# KiCad board macro-keyboard.kicad_pcb
title: Macro Keyboard 2x4; date: 2025-01-22; rev: 0.1
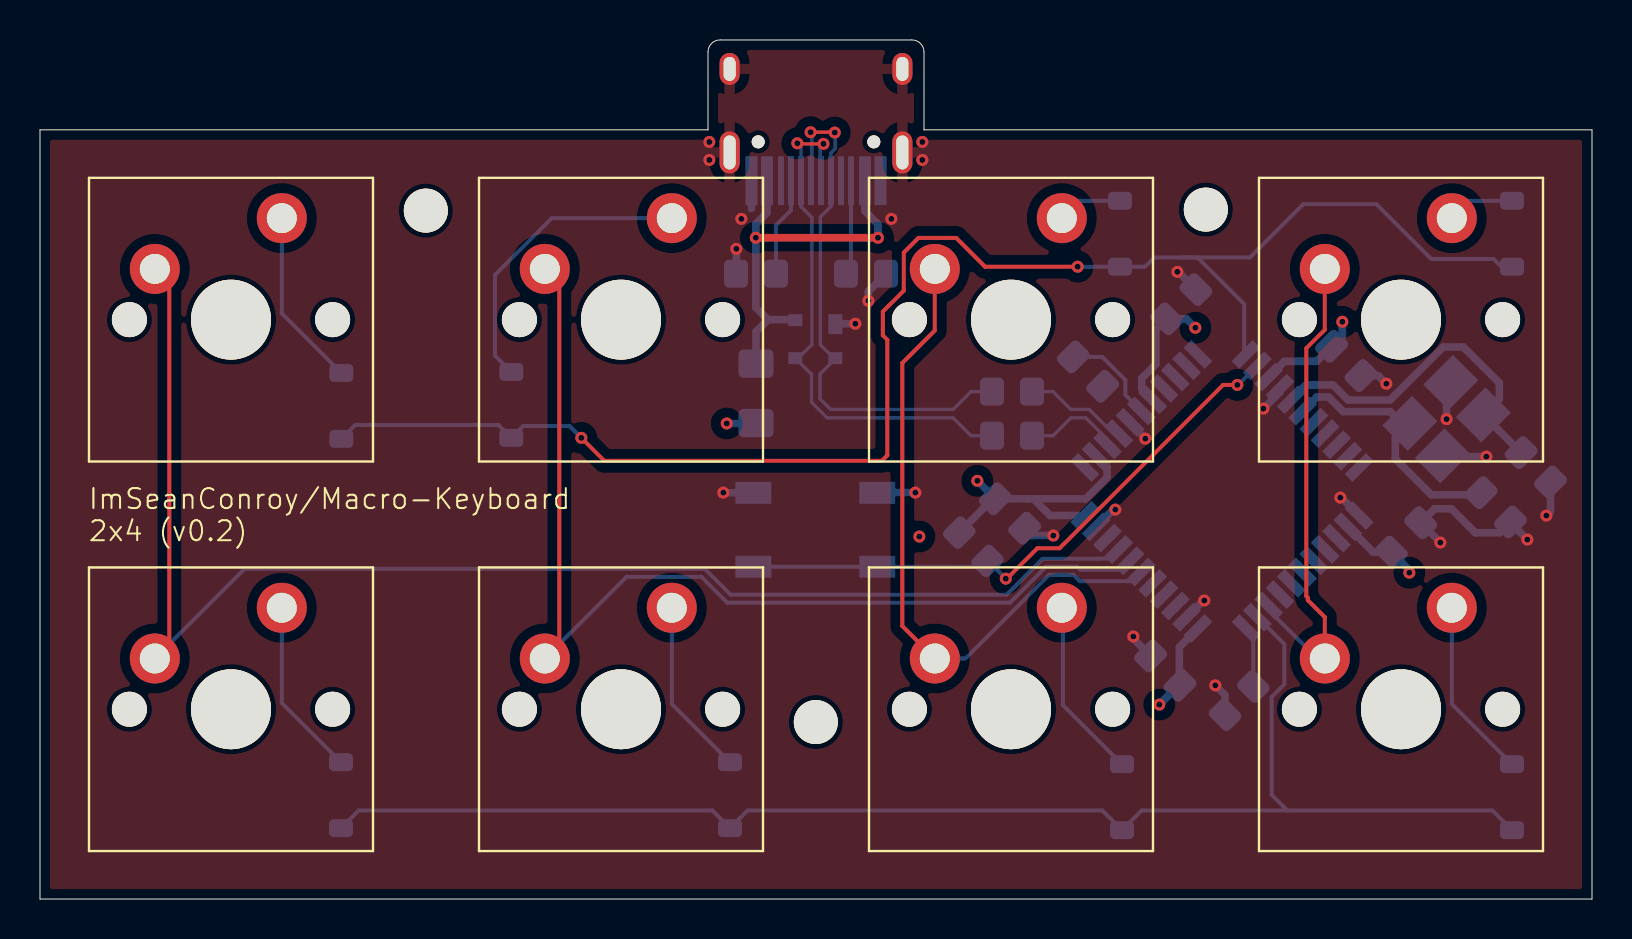
[diagram p0: board, top side]
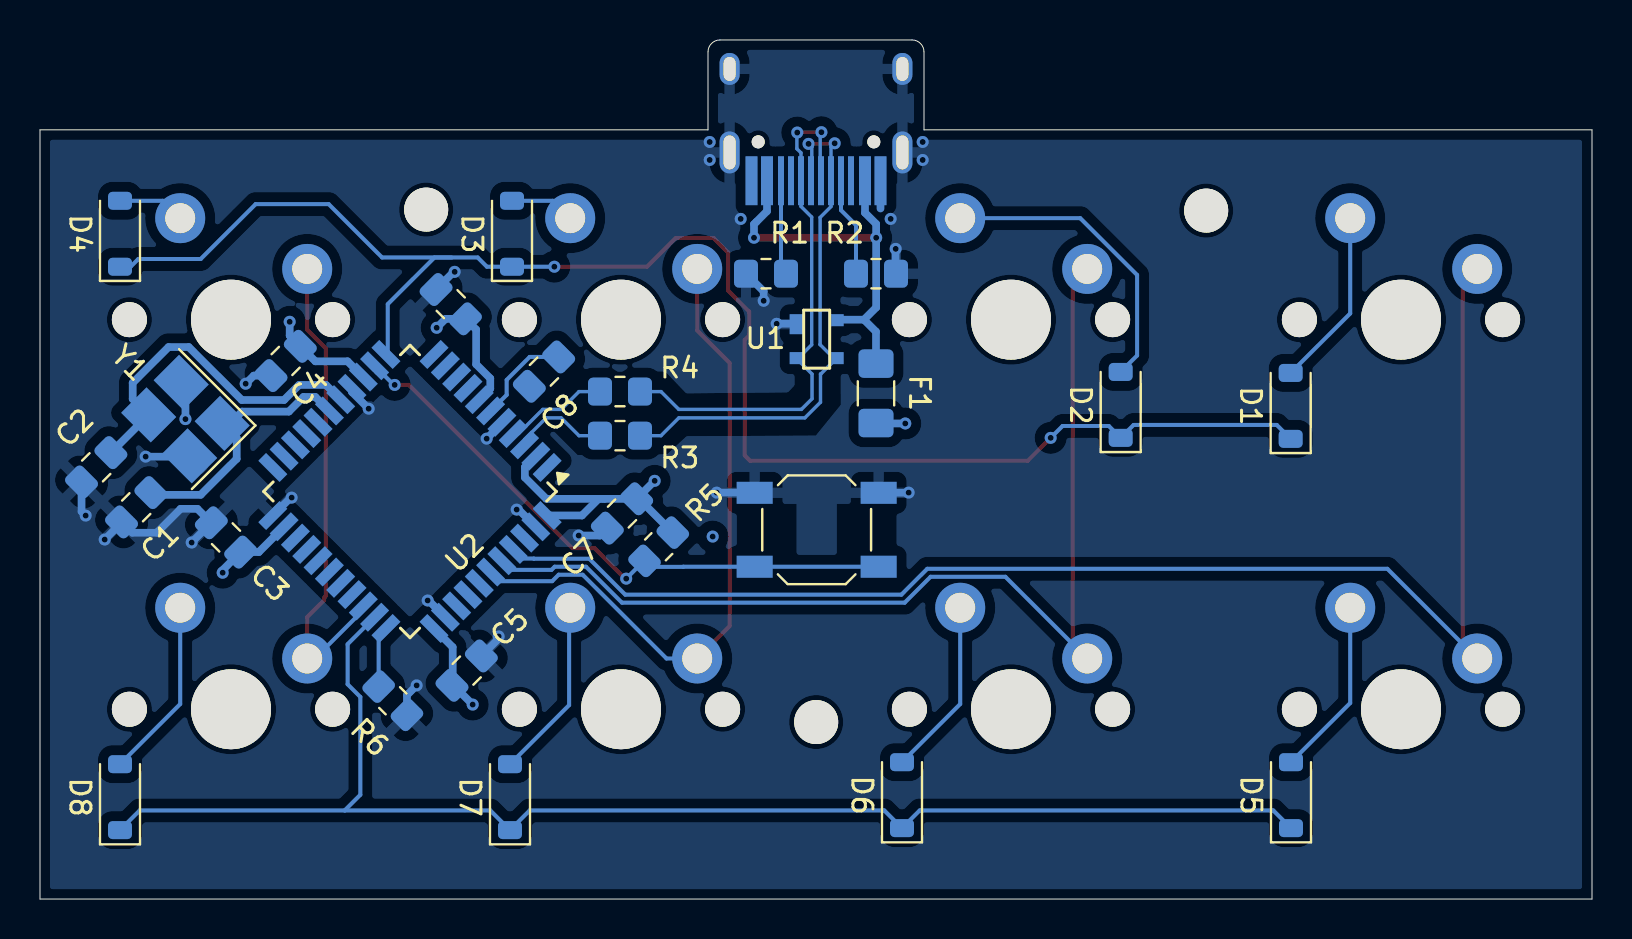
[diagram p1: board, bottom side, seen from below]

Outline 77.6 x 43 mm; copper layers: Top, In1.Cu, In2.Cu, Bottom. Coordinates in mm from the lower left corner of the outline.
Outline path: 0,0 0,38.5 33.4,38.5 33.4,42.4 arc(33.58,42.82) 34,43 43.6,43 arc(44.02,42.82) 44.2,42.4 44.2,38.5 77.6,38.5 77.6,0 0,0
Stack: Top 0.035mm / dielectric 0.1mm FR4 er 4.5 / In1.Cu 0.035mm / dielectric 1.24mm FR4 er 4.5 / In2.Cu 0.035mm / dielectric 0.1mm FR4 er 4.5 / Bottom 0.035mm

## Placement (name value [footprint] x y rotation side)
C1  22p  [C_0805_2012Metric_Pad1.18x1.45mm_HandSolder]  72.79 19.61 315 bottom
C2  22p  [C_0805_2012Metric_Pad1.18x1.45mm_HandSolder]  74.79 21.61 315 bottom
C3  0.1u  [C_0805_2012Metric_Pad1.18x1.45mm_HandSolder]  68.3 18.1 45 bottom
C4  0.1u  [C_0805_2012Metric_Pad1.18x1.45mm_HandSolder]  65.32 26.93 315 bottom
C5  0.1u  [C_0805_2012Metric_Pad1.18x1.45mm_HandSolder]  56.27 11.43 135 bottom
C6  0.1u  [C_0805_2012Metric_Pad1.18x1.45mm_HandSolder]  57.06 29.78 45 bottom
C7  10u  [C_0805_2012Metric_Pad1.18x1.45mm_HandSolder]  48.5 19.3 315 bottom
C8  1u  [C_0805_2012Metric_Pad1.18x1.45mm_HandSolder]  52.4 26.4 315 bottom
D1  D  [D_SOD-123]  15.07 24.68 90 bottom
D2  D  [D_SOD-123]  23.57 24.73 90 bottom
D3  D  [D_SOD-123]  54 33.3 90 bottom
D4  D  [D_SOD-123]  73.6 33.3 90 bottom
D5  D  [D_SOD-123]  15.05 5.2 90 bottom
D6  D  [D_SOD-123]  34.5 5.2 90 bottom
D7  D  [D_SOD-123]  54.1 5.1 90 bottom
D8  D  [D_SOD-123]  73.6 5.1 90 bottom
F1  500m  [Fuse_1206_3216Metric_Pad1.42x1.75mm_HandSolder]  35.8 25.31 90 bottom
HOLE1  -  [MountingHole_2.2mm_M2_DIN965]  19.29 34.46 0 top
HOLE2  -  [MountingHole_2.2mm_M2_DIN965]  58.29 34.51 0 top
HOLE3  -  [MountingHole_2.2mm_M2_DIN965]  38.79 8.86 0 top
R1  5.1k  [R_0805_2012Metric_Pad1.20x1.40mm_HandSolder]  41.3 31.3 180 bottom
R2  5.1k  [R_0805_2012Metric_Pad1.20x1.40mm_HandSolder]  35.8 31.3 0 bottom
R3  22  [R_0805_2012Metric_Pad1.20x1.40mm_HandSolder]  48.6 23.19 180 bottom
R4  22  [R_0805_2012Metric_Pad1.20x1.40mm_HandSolder]  48.6 25.4 180 bottom
R5  10k  [R_0805_2012Metric_Pad1.20x1.40mm_HandSolder]  46.67 17.63 135 bottom
R6  10k  [R_0805_2012Metric_Pad1.20x1.40mm_HandSolder]  59.96 9.93 45 bottom
SW1  SW_Push  [MX_PCB_1.00u]  9.55 29 0 top  (not fitted)
SW2  SW_Push  [MX_PCB_1.00u]  29.05 29 0 top  (not fitted)
SW3  SW_Push  [MX_PCB_1.00u]  48.55 29 0 top  (not fitted)
SW4  SW_Push  [MX_PCB_1.00u]  68.05 29 0 top  (not fitted)
SW5  SW_Push  [MX_PCB_1.00u]  9.55 9.5 0 top  (not fitted)
SW6  SW_Push  [MX_PCB_1.00u]  29.05 9.5 0 top  (not fitted)
SW7  SW_Push  [MX_PCB_1.00u]  48.55 9.5 0 top  (not fitted)
SW8  SW_Push  [MX_PCB_1.00u]  68.05 9.5 0 top  (not fitted)
SW13  ~  [SW_SPST_SKQG_WithStem]  38.77 18.48 0 bottom
U1  PRTR5V0U2X  [SOT143B]  38.77 28.02 180 bottom
U2  ATmega32U4-A  [TQFP-44_10x10mm_P0.8mm]  59.1 20.4 315 bottom
USB1  HRO-TYPE-C-31-M-12  [HRO-TYPE-C-31-M-12-HandSoldering]  38.8 44.15 0 bottom
Y1  Crystal_GND24_Small  [Crystal_SMD_3225-4Pin_3.2x2.5mm_HandSoldering]  70.33 24.02 45 bottom

## Library data of the parts
C1 C2 = -: Description: Unpolarized capacitor, small symbol; Part: C1804; ki_fp_filters: C_*
C3-C6 = -: Description: Unpolarized capacitor, small symbol; Part: C62912; ki_fp_filters: C_*
C7 = -: Description: Unpolarized capacitor, small symbol; Part: C95841; ki_fp_filters: C_*
C8 = -: Description: Unpolarized capacitor, small symbol; Part: C116352; ki_fp_filters: C_*
D1-D8 = -: Description: Diode; Sim.Pins: 1=K 2=A; Part: C77978; ki_fp_filters: TO-???* *_Diode_* *SingleDiode* D_*
F1 = -: Description: Resettable fuse, polymeric positive temperature coefficient, small symbol; Part: C70069; ki_fp_filters: *polyfuse* *PTC*
R1 R2 = -: Description: Resistor, small symbol; Part: C84375; ki_fp_filters: R_*
R3 R4 = -: Description: Resistor, small symbol; Part: C150390; ki_fp_filters: R_*
R5 R6 = -: Description: Resistor, small symbol; Part: C84376; ki_fp_filters: R_*
SW1-SW8 = -: Description: Push button switch, generic, two pins
SW13 = -: Part: C221929
U1 = -: Part: C12333
U2 = -: Datasheet: http://ww1.microchip.com/downloads/en/DeviceDoc/Atmel-7766-8-bit-AVR-ATmega16U4-32U4_Datasheet.pdf; Description: 16MHz, 32kB Flash, 2.5kB SRAM, 1kB EEPROM, USB 2.0, TQFP-44; Part: C44854; ki_fp_filters: TQFP*10x10mm*P0.8mm*
USB1 = -: Part: C165948
Y1 = -: Description: Four pin crystal, GND on pins 2 and 4, small symbol; Part: C255909; ki_fp_filters: Crystal*

## Footprints (pads in the part's own frame, mm; a bottom-side part is the same pattern mirrored in y, then rotated)
C_0805_2012Metric_Pad1.18x1.45mm_HandSolder
  rrect 1.175x1.45 smd: 1(-1.038,0) 2(1.038,0)
Crystal_SMD_3225-4Pin_3.2x2.5mm_HandSoldering
  rect 2.1x1.8 smd: 1(-1.45,-1.15) 2(1.45,-1.15) 3(1.45,1.15) 4(-1.45,1.15)
D_SOD-123
  rrect 0.9x1.2 smd: 1(-1.65,0) 2(1.65,0)
Fuse_1206_3216Metric_Pad1.42x1.75mm_HandSolder
  rrect 1.425x1.75 smd: 1(-1.488,0) 2(1.488,0)
HRO-TYPE-C-31-M-12-HandSoldering
  round 0.65 hole 0.65 unplated: (-2.89,6.25) (2.89,6.25)
  rect 0.6x2.45 smd: 1(-3.225,8.195) 2(-2.45,8.195) 11(2.45,8.195) 12(3.225,8.195)
  rect 0.3x2.45 smd: 3(-1.75,8.195) 4(-1.25,8.195) 5(-0.75,8.195) 6(-0.25,8.195) 7(0.25,8.195) 8(0.75,8.195) 9(1.25,8.195) 10(1.75,8.195)
  oval 1x1.6 hole 0.6x1.2: 13(-4.32,2.6) 13(4.32,2.6)
  oval 1x2.1 hole 0.6x1.7: 13(-4.32,6.78) 13(4.32,6.78)
MountingHole_2.2mm_M2_DIN965
  round 2.2 hole 2.2 unplated: (0,0)
MX_PCB_1.00u
  round 1.75 hole 1.75 unplated: (-5.08,0) (5.08,0)
  round 4 hole 4 unplated: (0,0)
  round 2.5 hole 1.5: 1(-3.81,2.54) 2(2.54,5.08)
R_0805_2012Metric_Pad1.20x1.40mm_HandSolder
  rrect 1.2x1.4 smd: 1(-1,0) 2(1,0)
SOT143B
  rect 0.7x1 smd: 1(-1,0.75)
  rect 0.7x0.6 smd: 2(-1,-0.95) 3(1,-0.95) 4(1,0.95)
SW_SPST_SKQG_WithStem
  rect 1.8x1.1 smd: 1(-3.1,1.85) 1(3.1,1.85) 2(-3.1,-1.85) 2(3.1,-1.85)
TQFP-44_10x10mm_P0.8mm
  rect 1.5x0.55 smd: 1(-5.7,4) 2(-5.7,3.2) 3(-5.7,2.4) 4(-5.7,1.6) 5(-5.7,0.8) 6(-5.7,0) 7(-5.7,-0.8) 8(-5.7,-1.6) 9(-5.7,-2.4) 10(-5.7,-3.2) 11(-5.7,-4) 23(5.7,-4) 24(5.7,-3.2) 25(5.7,-2.4) 26(5.7,-1.6) 27(5.7,-0.8) 28(5.7,0) 29(5.7,0.8) 30(5.7,1.6) 31(5.7,2.4) 32(5.7,3.2) 33(5.7,4)
  rect 0.55x1.5 smd: 12(-4,-5.7) 13(-3.2,-5.7) 14(-2.4,-5.7) 15(-1.6,-5.7) 16(-0.8,-5.7) 17(0,-5.7) 18(0.8,-5.7) 19(1.6,-5.7) 20(2.4,-5.7) 21(3.2,-5.7) 22(4,-5.7) 34(4,5.7) 35(3.2,5.7) 36(2.4,5.7) 37(1.6,5.7) 38(0.8,5.7) 39(0,5.7) 40(-0.8,5.7) 41(-1.6,5.7) 42(-2.4,5.7) 43(-3.2,5.7) 44(-4,5.7)

## Nets
+5V: C3.1 C4.1 C5.1 C6.1 C7.1 F1.1 R5.2 U2.2 U2.7 U2.14 U2.24 U2.34 U2.44
GND: C1.2 C2.2 C3.2 C4.2 C5.2 C6.2 C7.2 C8.2 R1.1 R2.1 R6.1 SW13.2 U1.1 U2.5 U2.15 U2.23 U2.35 U2.43 USB1.1 USB1.12 USB1.13 Y1.2 Y1.4
VCC: F1.2 U1.4 USB1.2 USB1.11
col0: SW1.1 SW5.1 U2.41
col1: SW2.1 SW6.1 U2.40
col2: SW3.1 SW7.1 U2.39
col3: SW4.1 SW8.1 U2.31
D+: R4.1 U2.4
D-: R3.1 U2.3
DN: R3.2 U1.3 USB1.5 USB1.7
DP: R4.2 U1.2 USB1.6 USB1.8
RESET: R5.1 SW13.1 U2.13
row0: D1.1 D2.1 D3.1 D4.1 U2.12
row1: D5.1 D6.1 D7.1 D8.1 U2.32
XTAL1: C1.1 U2.17 Y1.1
XTAL2: C2.1 U2.16 Y1.3
Net-(D1-A): D1.2 SW1.2
Net-(D2-A): D2.2 SW2.2
Net-(D3-A): D3.2 SW3.2
Net-(D4-A): D4.2 SW4.2
Net-(D5-A): D5.2 SW5.2
Net-(D6-A): D6.2 SW6.2
Net-(D7-A): D7.2 SW7.2
Net-(D8-A): D8.2 SW8.2
Net-(U2-UCAP): C8.1 U2.6
Net-(U2-~{HWB}/PE2): R6.2 U2.33
Net-(USB1-CC1): R2.2 USB1.4
Net-(USB1-CC2): R1.2 USB1.10

Pads without a net: U2 1 8 9 10 11 18 19 20 21 22 25 26 27 28 29 30 36 37 38 42; USB1 3 9

## Via types
v1: diameter 0.6, hole 0.3, Top to Bottom, 43 vias

## Routing (per net, layer and track width the routed paths; a pad name or vN(x,y) marks a point on that pad's centre or on a via; arc(x,y) is an arc through that point)
+5V: length 113.1
  In2.Cu w0.381: v1(43.97,18.14) 46.76,20.93 v1(46.87,20.93) 55.31,20.93 56.27,21.89 56.27,27.09 56.8,27.62 ; v1(43.97,18.14) 43.97,17.24 49.02,12.19 53.51,12.19 v1(55.97,9.73) 57.96,7.74 63.07,7.74 64.97,9.64 64.97,10.09 68.47,13.59 v1(68.47,16.33) ; v1(43.97,18.14) 42.89,19.22 38.92,19.22 v1(34.34,23.8) ; 56.8,27.62 v1(57.77,28.59) ; 56.8,27.62 56.83,27.59 63.82,27.59 v1(65.12,28.89)
  Bottom w0.381: U2.7 55.09,25.55 55.09,26.06 55.79,26.77 55.79,28.51 C6.1 57.32,29.04 v1(57.77,28.59) ; F1.1 35.78,23.8 v1(34.34,23.8) ; 49.37,20.03 49.67,20.03 50.5,19.2 U2.44 ; 49.37,20.03 C7.1 ; 49.37,20.03 52.29,20.03 53.36,21.1 53.36,21.62 U2.2 ; U2.24 66.66,17.37 C3.1 68.47,16.47 v1(68.47,16.33) ; U2.34 56.97,12.61 56.97,10.73 C5.1 56.93,10.7 v1(55.97,9.73) ; C7.1 v1(46.87,20.93) ; C7.1 47.65,20.03 R5.2 ; 47.73,20.07 47.69,20.07 ; v1(65.12,28.89) 65.12,28.2 C4.1 63.83,26.91 62.22,26.91 U2.14
GND: length 40.4
  Bottom w0.381: C7.2 49.61,18.19 v1(50.67,18.19) ; v1(41.42,29.94) 41.42,30.42 R1.1 ; v1(72.32,22.14) 70.16,22.14 Y1.4 70.4,22.46 ; v1(54.67,13.14) 54.67,13.03 C5.2 55.53,12.3 ; 34.48,38.05 USB1.13 ; 35.58,34.56 USB1.1 35.58,36.27 ; v1(67.32,25.79) 66.91,26.2 C4.2 ; v1(65.02,20.09) 65.06,20.09 U2.23 ; 34.53,31.3 R2.1 34.82,31.32 v1(34.82,32.54) ; U2.15 62,25.38 v1(61.17,24.54) ; v1(55.27,23.04) 54.5,23.81 U2.5 ; 39.8,28.8 39.81,28.79 v1(40.77,28.79) ; USB1.13 43.12,38.08 ; v1(43.77,20.34) 41.88,20.34 SW13.2 42.49,20.33 ; 53.13,25.24 C8.2 ; v1(70.33,24.02) 70.33,25.65 Y1.2 ; v1(74.37,17.99) 73.52,18.84 C1.2 72.98,18.33 71.77,18.33 70.57,19.53 69.73,19.53 C3.2 70.02,17.85 v1(70.02,17.84) ; C6.2 56.91,31.39 v1(56.87,31.39) ; v1(75.32,19.19) 75.52,19.4 C2.2 ; SW13.2 34.18,20.33 v1(34.17,20.34) ; 57.33,14.1 U2.35 58.17,14.94 v1(58.22,14.94) ; USB1.12 42.02,36.27 ; 59.19,9.28 R6.1 59.25,10.21 v1(58.77,10.69) ; U2.43 53.67,19.49 v1(53.77,19.49)
  vias: v1(33.47,37.89) v1(33.47,36.99) v1(35.07,34.04) v1(42.57,34.04) v1(44.12,37.89) v1(44.12,36.99)
VCC: length 20.5
  Top w0.381: v1(41.9,33.1) v1(35.79,33.1)
  Bottom w0.381: v1(41.9,33.1) 41.9,33.78 41.25,34.43 USB1.11 ; 36.4,29 35.79,29.61 v1(35.79,33.1) 35.79,33.79 36.35,34.35 USB1.2 ; 36.4,29 35.8,28.4 F1.2 ; 36.4,29 37.8,29
col0: length 71.6
  Top w0.2: SW1.1 6.47,30.81 6.47,12.77 SW5.1
  Bottom w0.2: SW5.1 10.23,16.53 33.24,16.53 34.53,15.23 48.34,15.23 50.14,17.03 52.9,17.03 52.91,17.04 53.48,17.04 U2.41
col1: length 52.6
  Top w0.2: SW6.1 25.97,12.77 25.97,30.81 SW2.1
  Bottom w0.2: U2.40 54.04,16.48 52.02,16.48 51.87,16.63 50.3,16.63 48.5,14.83 34.37,14.83 33.07,16.13 29.33,16.13 SW6.1
col2: length 33.2
  Top w0.2: SW3.1 44.74,28.46 43.12,26.83 43.12,13.66 SW7.1
  Bottom w0.2: U2.39 54.61,15.91 51.99,15.91 51.67,16.23 50.47,16.23 46.27,12.04 SW7.1
col3: length 24.3
  Top w0.2: SW8.1 64.24,14.11 63.39,14.96 63.39,15.08 63.32,15.16 63.32,27.57 64.24,28.49 SW4.1
  Bottom w0.2: SW8.1 63.86,12.04 61.43,14.47 U2.31
D+: length 5.2
  Bottom w0.168: R4.1 50.65,25.4 51.54,24.51 52.46,24.51 53.67,23.3 U2.4
D-: length 4.9
  Bottom w0.168: R3.1 50.65,23.19 51.54,24.09 52.29,24.09 53.37,23 U2.3
DN: length 28.3
  Top w0.168: v1(37.87,37.83) 37.9,37.8 v1(39.17,37.8)
  Bottom w0.168: R3.2 46.55,23.19 45.66,24.09 39.36,24.09 38.58,24.87 38.58,26.28 38.56,26.28 U1.3 37.92,27.07 38.6,27.75 38.59,27.76 38.59,34.12 38.05,34.66 USB1.5 38.05,37.64 v1(37.87,37.83) ; 39.09,34.84 39.05,34.88 USB1.7 39.05,37.03 39.01,37.07 39.01,37.64 v1(39.17,37.8)
  Bottom w0.2: 37.93,27.1 37.8,27.1
DP: length 28.4
  Top w0.168: v1(38.53,38.38) 39.72,38.38 v1(39.74,38.37)
  Bottom w0.168: USB1.6 38.55,37.03 38.59,37.07 38.59,38.32 v1(38.53,38.38) ; USB1.8 39.55,34.67 39.02,34.13 39.02,27.74 39.69,27.07 U1.2 39.77,27.05 39,26.28 39,25.04 39.53,24.51 45.66,24.51 46.55,25.4 R4.2 ; USB1.8 39.55,34.88 39.51,34.84 ; USB1.8 39.55,37.35 39.76,37.56 39.76,38.35 v1(39.74,38.37)
  Bottom w0.2: 39.8,27.1 39.7,27.1
RESET: length 30.1
  Top w0.2: v1(48.29,16.04) 48.34,16.04 49.87,17.56 50.98,17.56 59.16,25.73 v1(59.87,25.73)
  Bottom w0.2: v1(59.87,25.73) 59.91,25.73 U2.13 ; SW13.1 SW13.1 45.43,16.63 45.44,16.63 47.07,16.63 R5.1 47.4,16.93 v1(48.29,16.04)
row0: length 80.2
  Top w0.2: v1(51.88,31.65) 47.25,31.65 45.81,33.09 43.92,33.09 43.19,32.36 43.19,30.45 42.14,29.4 42.14,28.21 42.37,27.99 42.37,22.21 42.09,21.93 28.22,21.93 v1(27.07,23.08)
  Bottom w0.2: D4.1 73.07,31.65 72.68,32.04 69.56,32.04 66.82,34.78 63.17,34.78 60.49,32.11 55.72,32.11 55.25,31.65 D3.1 v1(51.88,31.65) ; 57.01,32.11 57.88,32.11 60.21,29.78 60.21,27.35 U2.12 ; v1(27.07,23.08) 26.47,23.68 24.16,23.68 D2.1 22.92,23.73 15.76,23.73 D1.1
row1: length 71.7
  Bottom w0.2: 62.37,4.43 55.08,4.43 D7.1 53.12,4.43 35.38,4.43 D6.1 33.62,4.43 15.93,4.43 D5.1 ; 62.37,4.43 61.58,5.22 61.58,10.12 62.22,10.75 62.22,12.76 U2.32 ; 62.37,4.43 72.62,4.43 D8.1
XTAL1: length 13.4
  Bottom w0.381: C1.1 71.95,20.23 69.57,20.23 67.77,22.03 67.77,23.09 Y1.1 68.09,23.81 67.5,24.4 65.16,24.4 64.42,25.13 63.83,25.13 U2.17
XTAL2: length 17.5
  Bottom w0.381: C2.1 Y1.3 72.97,25.03 72.97,25.83 71.17,27.63 70.16,27.63 67.51,24.98 65.4,24.98 64.64,25.73 63.3,25.73 U2.16
Net-(D1-A): length 9
  Bottom w0.2: D1.2 12.09,29.31 SW1.2
Net-(D2-A): length 15.2
  Bottom w0.2: D2.2 22.74,27.2 22.74,31.24 25.59,34.08 SW2.2
Net-(D3-A): length 3.3
  Bottom w0.2: D3.2 51.96,34.95 SW3.2
Net-(D4-A): length 3.4
  Bottom w0.2: SW4.2 71.46,34.95 D4.2
Net-(D5-A): length 9
  Bottom w0.2: SW5.2 12.09,9.81 D5.2
Net-(D6-A): length 8.9
  Bottom w0.2: D6.2 31.59,9.76 SW6.2
Net-(D7-A): length 9.1
  Bottom w0.2: D7.2 51.14,9.71 51.14,14.53 SW7.2
Net-(D8-A): length 9.1
  Bottom w0.2: SW8.2 70.59,9.76 D8.2
Net-(U2-UCAP): length 5
  Bottom w0.2: U2.6 54.27,25.23 54.27,25.98 53.12,27.13 C8.1
Net-(U2-~{HWB}/PE2): length 3.1
  Bottom w0.2: R6.2 60.67,13.18 U2.33
Net-(USB1-CC1): length 5
  Bottom w0.2: USB1.4 37.55,34.48 36.8,33.73 R2.2
Net-(USB1-CC2): length 4.8
  Bottom w0.2: R1.2 40.55,31.55 USB1.10

## Copper pours and planes (outline as drawn; the poured copper is in the pictures)
GND on Top, Bottom: -6.03,-4.09 85.41,-4.09 85.41,47.79 -6.03,47.79
GND on Top, Bottom, In1.Cu, In2.Cu: -6.03,-4.09 85.41,-4.09 85.41,47.79 -6.03,47.79

## Text on the board
F.Silkscreen: ImSeanConroy/Macro-Keyboard / 2x4 (v0.2)
